# KiCad board hscalla.kicad_pcb (continued)
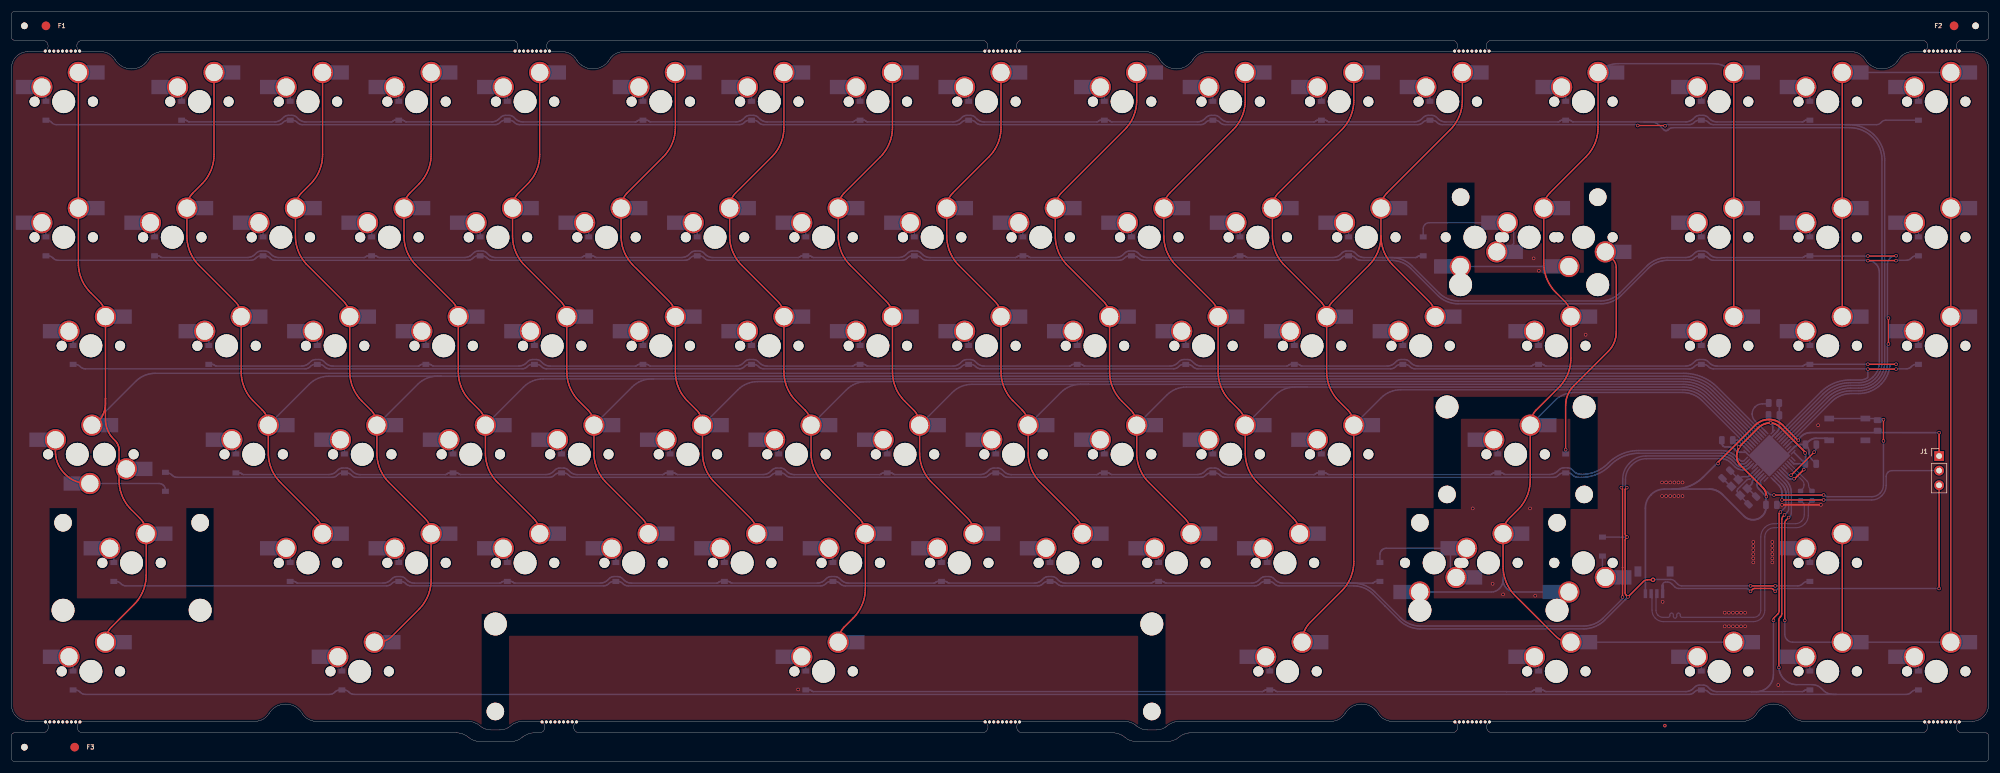
[diagram p0: board, top side]
## Nets (continued)
Net-(D67-Pad2): D67.2 MX63.1
Net-(D68-Pad2): D68.2 MX64.1
Net-(D69-Pad2): D69.2 MX65.1
Net-(D70-Pad2): D70.2 MX66.1
Net-(D71-Pad2): D71.2 MX67.1
Net-(D72-Pad2): D72.2 MX68.1
Net-(D73-Pad2): D73.2 MX69.1
Net-(D74-Pad2): D74.2 MX70.1
Net-(D75-Pad2): D75.2 MX71.1
Net-(D76-Pad2): D76.2 MX72.1
Net-(D77-Pad2): D77.2 MX73.1
Net-(D78-Pad2): D78.2 MX_rshift1.1 MX_splitrshift1.1
Net-(D79-Pad2): D79.2 MX_splitrshift2.1
Net-(D80-Pad2): D80.2 MX74.1
Net-(D81-Pad2): D81.2 MX75.1
Net-(D83-Pad2): D83.2 MX77.1
Net-(D84-Pad2): D84.2 MX78.1
Net-(D85-Pad2): D85.2 MX79.1
Net-(D87-Pad2): D87.2 MX81.1
Net-(D88-Pad2): D88.2 MX82.1
Net-(D89-Pad2): D89.2 MX83.1
Net-(D90-Pad2): D90.2 MX84.1
Net-(R1-Pad2): R1.2 SW1.2 U1.13
Net-(R3-Pad1): R3.1 U1.4
Net-(R4-Pad1): R4.1 U1.3
Net-(R5-Pad2): R5.2 U1.33

Pads without a net: U1 42

## Via types
v1: diameter 0.6, hole 0.3, Top to Bottom, 1 via
v2: diameter 0.6, hole 0.4, Top to Bottom, 96 vias
v3: diameter 0.8, hole 0.4, Top to Bottom, 1 via

## Routing (per net, layer and track width the routed paths; a pad name or vN(x,y) marks a point on that pad's centre or on a via; arc(x,y) is an arc through that point)
+5V: length 151.2
  Top w0.3: 306.26,58.99 306.54,58.94 306.82,58.88 307.08,58.78 307.34,58.66 307.58,58.51 307.81,58.34 308.02,58.15 312.38,53.8 ; v2(306.3,58.98) 306.3,58.98 305.99,58.97 305.69,58.92 305.39,58.85 305.1,58.74 304.83,58.61 304.57,58.46 304.32,58.27 304.09,58.07 301.22,55.2 301.03,54.99 300.86,54.76 300.72,54.52 300.6,54.26 300.5,53.99 300.43,53.72 300.39,53.43 300.38,53.15 300.39,52.94 300.42,52.73 300.47,52.52 300.54,52.32 300.63,52.13 300.74,51.94 300.87,51.77 301.01,51.61 304.91,47.71 305.06,47.55 305.18,47.38 305.29,47.2 305.38,47.01 305.46,46.81 305.51,46.6 305.54,46.39 305.55,46.17 v2(305.55,46.14) ; J1.1 v2(335.62,57.28) ; v2(310.37,49.25) 310.48,49.25 v2(312.07,50.84) ; 311.03,55.96 308.41,58.58 308.16,58.8 307.89,59 307.61,59.17 307.31,59.31 307,59.42 306.67,59.5 306.35,59.55 306.02,59.57 305.98,59.57 305.65,59.55 305.32,59.5 305,59.42 304.69,59.31 304.39,59.17 304.1,59 303.84,58.8 303.59,58.58 297.14,52.12 v2(297.14,51.89)
  Bottom w0.3: v2(335.62,57.28) 313.26,57.28 313.02,57.27 312.79,57.23 312.56,57.18 312.33,57.1 312.12,56.99 311.91,56.87 311.72,56.73 311.55,56.57 311.03,56.05 ; U1.7 309.15,49.5 309.27,49.39 309.4,49.3 309.54,49.23 309.69,49.18 309.85,49.15 310,49.14 310.26,49.14 v2(310.37,49.25) ; 310.32,53.86 312.34,51.85 310.33,51.85 U1.2 ; 289.16,47.45 289.46,47.45 289.82,47.46 290.17,47.48 290.52,47.53 290.87,47.59 291.22,47.67 291.56,47.76 291.9,47.87 292.23,48 292.56,48.15 292.88,48.31 293.18,48.48 293.48,48.67 293.78,48.88 294.06,49.09 294.32,49.33 294.58,49.57 296.9,51.89 v2(297.14,51.89) ; 289.16,47.45 287.81,47.45 arc(286.55,47.2) 285.48,46.48 285.45,46.46 arc(284.73,45.39) 284.48,44.12 J2.1 ; 289.16,47.45 295.6,47.45 295.76,47.45 295.92,47.43 296.08,47.41 296.23,47.39 296.39,47.35 296.55,47.31 296.7,47.26 296.85,47.2 296.99,47.14 297.14,47.07 297.27,46.99 297.41,46.9 297.54,46.81 297.67,46.71 297.79,46.61 297.9,46.5 301.66,42.74 301.81,42.6 301.98,42.47 302.17,42.36 302.36,42.27 302.56,42.2 302.77,42.15 302.98,42.12 303.19,42.11 303.28,42.11 303.49,42.12 303.71,42.15 303.91,42.2 304.11,42.27 304.31,42.36 304.49,42.47 304.66,42.6 304.82,42.74 304.85,42.78 304.99,42.93 305.12,43.11 305.23,43.29 305.32,43.48 305.39,43.68 305.45,43.89 305.48,44.1 305.49,44.31 ; 300.48,55.15 299.68,55.96 300.57,55.96 U1.24 ; 300.48,55.15 300.72,54.92 v2(300.72,54.78) ; 300.48,55.15 300.6,55.04 ; U1.14 304.24,49.31 arc(303.97,48.91) 303.88,48.43 303.88,48.34 arc(303.97,47.86) 304.24,47.45 v2(305.55,46.14) 305.49,46.08 305.49,44.7 ; 305.93,59.85 305.96,59.62 306.02,59.39 306.14,59.18 306.29,59 v2(306.3,58.98) 306.38,58.9 arc(306.6,58.58) 306.67,58.2 U1.34 ; v2(312.07,50.84) 312.07,51.59 ; 312.38,53.8 312.38,51.94
  vias: v2(311.12,55.96) v2(312.29,53.74)
GND: length 44.2
  Top w0.3: v2(308.28,44.7) v2(315.04,44.7)
  Bottom w0.2: 302.54,53.27 U1.23 ; 306.08,51.86 U1.15
  Bottom w0.25: 314.21,51.85 313.52,52.54 313.41,52.67 313.3,52.81 313.21,52.96 313.14,53.12 313.08,53.28 313.03,53.45 313.01,53.63 313,53.8 313,53.81 312.99,53.99 312.97,54.16 312.92,54.33 312.86,54.5 312.79,54.66 312.69,54.81
  Bottom w0.3: 297.81,55.96 297.81,55.36 arc(297.84,55.17) 297.95,55.01 298.02,54.95 arc(298.18,54.84) 298.37,54.8 298.99,54.8 299.27,54.77 299.54,54.69 299.79,54.56 300.01,54.38 300.1,54.29 300.32,54.11 300.57,53.98 300.84,53.89 301.12,53.86 U1.23 ; 308.91,53.27 U1.43 310.31,54.67 310.44,54.79 310.58,54.9 310.73,54.99 310.89,55.06 311.06,55.12 311.23,55.17 311.41,55.19 311.59,55.2 312.36,55.2 312.93,55.77 313.06,55.89 313.2,55.99 313.35,56.09 313.51,56.16 313.68,56.22 313.85,56.27 314.03,56.29 314.21,56.3 316.12,56.3 ; 307.81,62.29 307.81,58.33 307.78,58.09 307.72,57.87 307.6,57.66 307.45,57.47 U1.35 306.08,56.1 ; U1.15 303.24,49.02 arc(303.13,48.85) 303.09,48.66 303.09,48.63 arc(303.05,48.44) 302.95,48.27 302.22,47.55 ; 302.34,47.55 303.75,46.15 ; 299.34,47.9 297.94,49.3 ; 305.37,53.27 U1.18
  vias: v2(136.97,12.55) v2(254.42,44.08) v2(257.88,30.95) v2(259.7,29.1) v2(264.4,44.08) v2(265.02,87.62) v2(265.3,28.88) v2(265.93,85.47) v2(274.08,74.32) v2(287.38,48.6) v2(287.38,46.23) v2(287.48,27.81) v2(288.09,48.6) v2(288.09,46.23) v2(288.8,48.6) v2(288.8,46.23) v2(289.53,48.6) v2(289.53,46.23) v2(290.24,48.6) v2(290.24,46.23) v2(290.95,48.6) v2(290.95,46.23) v2(298.29,25.92) v2(298.29,23.55) v2(299,25.92) v2(299,23.55) v2(299.72,25.92) v2(299.72,23.55) v2(300.43,25.92) v2(300.43,23.55) v2(301.14,25.92) v2(301.14,23.55) v2(301.85,25.92) v2(301.85,23.55) v2(303.27,38.23) v2(303.27,37.52) v2(303.27,36.81) v2(303.27,36.1) v2(303.27,35.39) v2(303.27,34.68) v2(306.58,38.23) v2(306.58,37.52) v2(306.58,36.81) v2(306.58,36.1) v2(306.58,35.39) v2(306.58,34.68) v2(307.61,13.32) v2(314.55,58.57)
GND1: length 67.6
  Top w0.25: v2(302.78,29.63) 303.14,29.99 arc(303.31,30.1) 303.5,30.14 306.37,30.14 arc(306.56,30.1) 306.72,29.99 v2(307.08,29.63) ; v2(335.62,30.13) J1.3
  Bottom w0.25: v2(307.08,29.63) 307.44,29.99 arc(307.6,30.1) 307.79,30.13 v2(335.62,30.13) ; JP1.2 287.48,30.76 arc(287.63,31.11) 287.98,31.26 288.35,31.26 arc(288.73,31.18) 289.05,30.96 289.59,30.43 arc(289.91,30.21) 290.3,30.13 302.08,30.13 arc(302.27,30.1) 302.43,29.99 v2(302.78,29.63)
(no net):
  vias: v1(287.88,6.25)
col0: length 404
  Top w0.25: 16.09,78.96 15.94,79.28 15.75,79.58 15.54,79.87 15.3,80.13 13.76,81.67 13.52,81.93 13.28,82.2 13.07,82.48 12.86,82.77 12.67,83.07 12.5,83.38 12.34,83.7 12.19,84.02 12.06,84.36 11.95,84.69 11.86,85.04 11.78,85.38 11.72,85.73 11.67,86.09 11.65,86.44 11.64,86.8 MX18.2 MX1.2 ; 18.73,52.64 18.73,49 18.74,48.64 18.76,48.29 18.81,47.93 18.87,47.58 18.94,47.24 19.04,46.89 19.15,46.56 19.28,46.22 19.42,45.9 19.58,45.58 19.76,45.27 19.95,44.97 20.15,44.68 20.37,44.4 20.6,44.13 20.85,43.87 22.39,42.33 22.63,42.07 22.84,41.78 23.02,41.48 23.18,41.16 ; 18.73,52.64 18.73,52.29 20,51.02 ; 18.73,52.64 18.73,54.21 18.72,54.33 18.72,54.45 18.7,54.57 18.68,54.68 18.66,54.8 18.62,54.91 18.59,55.03 18.54,55.14 18.5,55.24 18.44,55.35 18.38,55.45 18.32,55.55 18.25,55.65 18.18,55.74 18.1,55.83 18.02,55.92 17.78,56.16 17.62,56.33 17.46,56.51 17.32,56.7 17.18,56.89 17.05,57.09 16.94,57.3 16.83,57.51 16.73,57.73 16.65,57.95 16.57,58.17 16.51,58.4 16.46,58.63 16.42,58.87 16.39,59.1 16.37,59.34 16.37,59.58 16.37,63.25 ; 16.37,63.25 16.37,62.41 16.36,62.17 16.34,61.94 16.31,61.7 16.27,61.47 16.22,61.24 16.16,61.01 16.08,60.78 16,60.56 15.9,60.35 15.79,60.13 15.68,59.93 15.55,59.73 15.41,59.53 ; 16.37,63.25 16.37,75.89 ; MX63.2 23.45,32.46 23.44,32.1 23.42,31.75 23.37,31.4 23.31,31.05 23.24,30.7 23.14,30.36 23.03,30.02 22.9,29.69 22.76,29.36 22.6,29.04 22.42,28.74 22.23,28.43 22.03,28.14 21.81,27.86 21.58,27.59 21.33,27.34 17.43,23.43 17.19,23.17 16.98,22.88 16.79,22.58 16.64,22.26
  Bottom w0.25: U1.32 296.98,65.21 296.68,65.48 296.38,65.75 296.06,65.99 295.73,66.23 295.39,66.44 295.04,66.64 294.68,66.82 294.31,66.99 293.94,67.13 293.55,67.26 293.17,67.36 292.77,67.45 292.38,67.52 291.98,67.57 291.57,67.6 291.17,67.61 25.03,67.61 24.8,67.6 24.56,67.59 24.32,67.56 24.09,67.52 23.86,67.47 23.63,67.4 23.41,67.33 23.18,67.24 22.97,67.15 22.76,67.04 22.55,66.92 22.35,66.8 22.16,66.66 21.97,66.51 21.79,66.36 21.62,66.2 MX50.2
col1: length 468.7
  Top w0.25: 49.79,98.02 49.87,98.18 49.96,98.33 50.05,98.48 50.15,98.63 50.26,98.77 50.38,98.9 50.5,99.03 52.04,100.57 52.29,100.83 52.52,101.1 52.74,101.38 52.94,101.67 53.13,101.97 53.31,102.28 53.47,102.6 53.61,102.92 53.74,103.26 53.85,103.59 53.95,103.94 54.03,104.28 54.09,104.63 54.13,104.99 54.16,105.34 54.16,105.7 54.16,118.41 ; MX20.2 49.44,91.52 49.45,91.17 49.47,90.81 49.52,90.46 49.58,90.11 49.66,89.76 49.75,89.42 49.86,89.08 49.99,88.75 50.14,88.42 50.3,88.11 50.47,87.8 50.66,87.5 50.87,87.21 51.08,86.93 51.32,86.66 51.56,86.4 57.83,80.13 58.07,79.87 58.28,79.58 58.46,79.28 58.61,78.96 ; MX36.2 58.89,67.9 58.9,67.54 58.92,67.19 58.97,66.83 59.03,66.48 59.11,66.14 59.2,65.79 59.31,65.46 59.44,65.12 59.59,64.8 59.75,64.48 59.92,64.17 60.11,63.87 60.32,63.58 60.53,63.3 60.77,63.03 61.01,62.77 62.55,61.23 62.79,60.97 63,60.68 63.19,60.38 63.34,60.06 ; MX53.2 63.61,53.72 63.62,53.37 63.65,53.01 63.69,52.66 63.75,52.31 63.83,51.96 63.93,51.62 64.04,51.28 64.17,50.95 64.31,50.62 64.47,50.31 64.65,50 64.84,49.7 65.04,49.41 65.26,49.13 65.49,48.86 65.74,48.6 72,42.33 72.24,42.07 72.45,41.78 72.64,41.48 72.79,41.16 ; 53.89,41.16 53.74,41.48 53.55,41.78 53.34,42.07 53.1,42.33 46.84,48.6 46.59,48.86 46.36,49.13 46.14,49.41 45.94,49.7 45.75,50 45.57,50.31 45.41,50.62 45.27,50.95 45.14,51.28 45.03,51.62 44.93,51.96 44.85,52.31 44.79,52.66 44.75,53.01 44.72,53.37 44.71,53.72 MX52.2 ; 39.71,78.96 39.56,79.28 39.38,79.58 39.17,79.87 38.93,80.13 32.66,86.4 32.42,86.66 32.18,86.93 31.97,87.21 31.76,87.5 31.57,87.8 31.4,88.11 31.24,88.42 31.09,88.75 30.96,89.08 30.85,89.42 30.76,89.76 30.68,90.11 30.62,90.46 30.57,90.81 30.55,91.17 30.54,91.52 MX19.2 ; 64.76,20.94 65.09,21.06 65.41,21.21 65.72,21.39 66,21.6 66.27,21.84 70.94,26.52 71.19,26.78 71.42,27.04 71.64,27.32 71.84,27.62 72.03,27.92 72.21,28.22 72.37,28.54 72.51,28.87 72.64,29.2 72.75,29.54 72.85,29.88 72.93,30.23 72.99,30.58 73.03,30.93 73.06,31.28 73.06,31.64 MX65.2 ; 35.27,118.41 35.27,105.7 35.26,105.34 35.23,104.99 35.19,104.63 35.13,104.28 35.05,103.94 34.95,103.59 34.84,103.26 34.71,102.92 34.57,102.6 34.41,102.28 34.23,101.97 34.04,101.67 33.84,101.38 33.62,101.1 33.39,100.83 33.14,100.57 31.6,99.03 31.48,98.9 31.36,98.77 31.25,98.63 31.15,98.48 31.06,98.33 30.97,98.18 30.89,98.02 ; MX35.2 39.99,67.9 40,67.54 40.02,67.19 40.07,66.83 40.13,66.48 40.21,66.14 40.3,65.79 40.41,65.46 40.54,65.12 40.69,64.8 40.85,64.48 41.02,64.17 41.21,63.87 41.42,63.58 41.63,63.3 41.87,63.03 42.11,62.77 43.65,61.23 43.89,60.97 44.1,60.68 44.29,60.38 44.44,60.06
  Bottom w0.25: 74.78,67.11 291.17,67.11 291.55,67.1 291.92,67.07 292.3,67.02 292.67,66.96 293.04,66.88 293.41,66.78 293.77,66.66 294.12,66.52 294.47,66.37 294.81,66.2 295.14,66.01 295.46,65.81 295.77,65.59 296.07,65.35 296.35,65.11 296.63,64.85 U1.31 ; 74.78,67.11 74.14,67.11 73.67,67.08 73.2,67.02 72.74,66.9 72.3,66.74 71.87,66.54 71.46,66.29 71.08,66.01 70.73,65.69 MX53.2 ; 74.78,67.11 55.24,67.11 54.77,67.08 54.3,67.02 53.84,66.9 53.4,66.74 52.97,66.54 52.56,66.29 52.18,66.01 51.83,65.69 MX52.2
col2: length 407.3
  Top w0.25: MX55.2 101.41,53.72 101.42,53.37 101.45,53.01 101.49,52.66 101.55,52.31 101.63,51.96 101.73,51.62 101.84,51.28 101.97,50.95 102.11,50.62 102.27,50.31 102.45,50 102.64,49.7 102.84,49.41 103.06,49.13 103.29,48.86 103.54,48.6 109.8,42.33 110.04,42.07 110.25,41.78 110.44,41.48 110.59,41.16 ; MX38.2 96.69,67.9 96.7,67.54 96.72,67.19 96.77,66.83 96.83,66.48 96.91,66.14 97,65.79 97.11,65.46 97.24,65.12 97.39,64.8 97.55,64.48 97.72,64.17 97.91,63.87 98.12,63.58 98.33,63.3 98.57,63.03 98.81,62.77 100.35,61.23 100.59,60.97 100.8,60.68 100.99,60.38 101.14,60.06 ; MX22.2 87.24,91.52 87.25,91.17 87.27,90.81 87.32,90.46 87.38,90.11 87.46,89.76 87.55,89.42 87.66,89.08 87.79,88.75 87.94,88.42 88.1,88.11 88.27,87.8 88.46,87.5 88.67,87.21 88.88,86.93 89.12,86.66 89.36,86.4 95.63,80.13 95.87,79.87 96.08,79.58 96.26,79.28 96.41,78.96 ; 77.51,78.96 77.36,79.28 77.18,79.58 76.97,79.87 76.73,80.13 70.46,86.4 70.22,86.66 69.98,86.93 69.77,87.21 69.56,87.5 69.37,87.8 69.2,88.11 69.04,88.42 68.89,88.75 68.76,89.08 68.65,89.42 68.56,89.76 68.48,90.11 68.42,90.46 68.37,90.81 68.35,91.17 68.34,91.52 MX21.2 ; 68.69,98.02 68.77,98.18 68.86,98.33 68.95,98.48 69.05,98.63 69.16,98.77 69.28,98.9 69.4,99.03 70.94,100.57 71.19,100.83 71.42,101.1 71.64,101.38 71.84,101.67 72.03,101.97 72.21,102.28 72.37,102.6 72.51,102.92 72.64,103.26 72.75,103.59 72.85,103.94 72.93,104.28 72.99,104.63 73.03,104.99 73.06,105.34 73.06,105.7 73.06,118.41 ; 87.59,98.02 87.67,98.18 87.76,98.33 87.85,98.48 87.95,98.63 88.06,98.77 88.18,98.9 88.3,99.03 89.84,100.57 90.09,100.83 90.32,101.1 90.54,101.38 90.74,101.67 90.93,101.97 91.11,102.28 91.27,102.6 91.41,102.92 91.54,103.26 91.65,103.59 91.75,103.94 91.83,104.28 91.89,104.63 91.93,104.99 91.96,105.34 91.97,105.7 91.97,118.41 ; MX37.2 77.79,67.9 77.8,67.54 77.82,67.19 77.87,66.83 77.93,66.48 78.01,66.14 78.1,65.79 78.21,65.46 78.34,65.12 78.49,64.8 78.65,64.48 78.82,64.17 79.01,63.87 79.22,63.58 79.43,63.3 79.67,63.03 79.91,62.77 81.45,61.23 81.69,60.97 81.9,60.68 82.09,60.38 82.24,60.06 ; 91.69,41.16 91.54,41.48 91.35,41.78 91.14,42.07 90.9,42.33 84.64,48.6 84.39,48.86 84.16,49.13 83.94,49.41 83.74,49.7 83.55,50 83.37,50.31 83.21,50.62 83.07,50.95 82.94,51.28 82.83,51.62 82.73,51.96 82.65,52.31 82.59,52.66 82.55,53.01 82.52,53.37 82.52,53.72 MX54.2
  Bottom w0.25: 111.82,66.64 291.13,66.64 291.49,66.63 291.84,66.6 292.19,66.56 292.54,66.5 292.89,66.42 293.23,66.32 293.57,66.21 293.9,66.08 294.23,65.94 294.55,65.78 294.86,65.61 295.16,65.41 295.45,65.21 295.73,64.99 296,64.76 296.25,64.51 U1.30 ; 111.82,66.64 111.47,66.64 111,66.61 110.53,66.54 110.07,66.43 109.62,66.27 109.19,66.07 108.79,65.82 108.41,65.54 108.06,65.22 MX55.2 ; 111.82,66.64 92.57,66.64 92.1,66.61 91.63,66.54 91.17,66.43 90.72,66.27 90.29,66.07 89.89,65.82 89.51,65.54 89.16,65.22 MX54.2
col3: length 394.8
  Top w0.25: MX7.2 134.49,110.42 134.48,110.07 134.46,109.71 134.41,109.36 134.35,109.01 134.27,108.66 134.18,108.32 134.07,107.98 133.94,107.65 133.79,107.32 133.63,107.01 133.46,106.7 133.27,106.4 133.06,106.11 132.85,105.83 132.61,105.56 132.37,105.3 126.1,99.03 125.86,98.77 125.65,98.48 125.47,98.18 125.32,97.86 ; MX23.2 106.14,91.52 106.15,91.17 106.17,90.81 106.22,90.46 106.28,90.11 106.36,89.76 106.45,89.42 106.56,89.08 106.69,88.75 106.84,88.42 107,88.11 107.17,87.8 107.36,87.5 107.57,87.21 107.78,86.93 108.02,86.66 108.26,86.4 114.53,80.13 114.77,79.87 114.98,79.58 115.16,79.28 115.31,78.96 ; 148.39,41.16 148.24,41.48 148.05,41.78 147.84,42.07 147.6,42.33 141.34,48.6 141.09,48.86 140.86,49.13 140.64,49.41 140.44,49.7 140.25,50 140.07,50.31 139.91,50.62 139.77,50.95 139.64,51.28 139.53,51.62 139.43,51.96 139.35,52.31 139.29,52.66 139.25,53.01 139.22,53.37 139.22,53.72 MX57.2 ; 134.21,78.96 134.06,79.28 133.88,79.58 133.67,79.87 133.43,80.13 127.16,86.4 126.92,86.66 126.68,86.93 126.47,87.21 126.26,87.5 126.07,87.8 125.9,88.11 125.74,88.42 125.59,88.75 125.46,89.08 125.35,89.42 125.26,89.76 125.18,90.11 125.12,90.46 125.07,90.81 125.05,91.17 125.04,91.52 MX24.2 ; 120.04,60.06 119.89,60.38 119.7,60.68 119.49,60.97 119.25,61.23 117.71,62.77 117.47,63.03 117.23,63.3 117.02,63.58 116.81,63.87 116.62,64.17 116.45,64.48 116.29,64.8 116.14,65.12 116.01,65.46 115.9,65.79 115.81,66.14 115.73,66.48 115.67,66.83 115.62,67.19 115.6,67.54 115.59,67.9 MX39.2 ; MX40.2 134.49,67.9 134.5,67.54 134.52,67.19 134.57,66.83 134.63,66.48 134.71,66.14 134.8,65.79 134.91,65.46 135.04,65.12 135.19,64.8 135.35,64.48 135.52,64.17 135.71,63.87 135.92,63.58 136.13,63.3 136.37,63.03 136.61,62.77 138.15,61.23 138.39,60.97 138.6,60.68 138.79,60.38 138.94,60.06 ; MX56.2 120.31,53.72 120.32,53.37 120.35,53.01 120.39,52.66 120.45,52.31 120.53,51.96 120.63,51.62 120.74,51.28 120.87,50.95 121.01,50.62 121.17,50.31 121.35,50 121.54,49.7 121.74,49.41 121.96,49.13 122.19,48.86 122.44,48.6 128.7,42.33 128.94,42.07 129.15,41.78 129.34,41.48 129.49,41.16 ; 144.22,22.26 144.37,22.58 144.55,22.88 144.76,23.17 145,23.43 146.54,24.97 146.79,25.23 147.02,25.5 147.24,25.78 147.44,26.07 147.63,26.37 147.81,26.68 147.97,27 148.11,27.32 148.24,27.66 148.35,27.99 148.45,28.34 148.53,28.68 148.59,29.03 148.63,29.39 148.66,29.74 148.66,30.1 MX69.2 ; MX6.2 115.59,110.42 115.58,110.07 115.56,109.71 115.51,109.36 115.45,109.01 115.37,108.66 115.28,108.32 115.17,107.98 115.04,107.65 114.89,107.32 114.73,107.01 114.56,106.7 114.37,106.4 114.16,106.11 113.95,105.83 113.71,105.56 113.47,105.3 107.2,99.03 106.96,98.77 106.75,98.48 106.57,98.18 106.42,97.86
  Bottom w0.25: 149.43,66.16 129.9,66.16 129.42,66.14 128.96,66.07 128.5,65.96 128.05,65.8 127.62,65.59 127.22,65.35 126.83,65.07 126.48,64.75 MX56.2 ; 149.43,66.16 148.8,66.16 148.32,66.14 147.86,66.07 147.4,65.96 146.95,65.8 146.52,65.59 146.12,65.35 145.73,65.07 145.38,64.75 MX57.2 ; 149.43,66.16 291.1,66.16 291.43,66.15 291.76,66.13 292.09,66.09 292.42,66.03 292.74,65.96 293.06,65.87 293.37,65.77 293.68,65.65 293.99,65.51 294.28,65.36 294.57,65.2 294.85,65.02 295.12,64.83 295.39,64.63 295.64,64.41 295.88,64.18 U1.29
col4: length 337.7
  Top w0.25: MX25.2 143.94,91.52 143.95,91.17 143.97,90.81 144.02,90.46 144.08,90.11 144.16,89.76 144.25,89.42 144.36,89.08 144.49,88.75 144.64,88.42 144.8,88.11 144.97,87.8 145.16,87.5 145.37,87.21 145.58,86.93 145.82,86.66 146.06,86.4 152.33,80.13 152.57,79.87 152.78,79.58 152.96,79.28 153.11,78.96 ; MX26.2 162.84,91.52 162.85,91.17 162.87,90.81 162.92,90.46 162.98,90.11 163.06,89.76 163.15,89.42 163.26,89.08 163.39,88.75 163.54,88.42 163.7,88.11 163.87,87.8 164.06,87.5 164.27,87.21 164.48,86.93 164.72,86.66 164.96,86.4 171.23,80.13 171.47,79.87 171.68,79.58 171.86,79.28 172.01,78.96 ; MX42.2 172.29,67.9 172.3,67.54 172.32,67.19 172.37,66.83 172.43,66.48 172.51,66.14 172.6,65.79 172.71,65.46 172.84,65.12 172.99,64.8 173.15,64.48 173.32,64.17 173.51,63.87 173.72,63.58 173.93,63.3 174.17,63.03 174.41,62.77 175.95,61.23 176.19,60.97 176.4,60.68 176.59,60.38 176.74,60.06 ; 186.19,41.16 186.04,41.48 185.85,41.78 185.64,42.07 185.4,42.33 179.14,48.6 178.89,48.86 178.66,49.13 178.44,49.41 178.24,49.7 178.05,50 177.87,50.31 177.71,50.62 177.57,50.95 177.44,51.28 177.33,51.62 177.23,51.96 177.15,52.31 177.09,52.66 177.05,53.01 177.02,53.37 177.01,53.72 MX59.2 ; 167.29,41.16 167.14,41.48 166.95,41.78 166.74,42.07 166.5,42.33 160.24,48.6 159.99,48.86 159.76,49.13 159.54,49.41 159.34,49.7 159.15,50 158.97,50.31 158.81,50.62 158.67,50.95 158.54,51.28 158.43,51.62 158.33,51.96 158.25,52.31 158.19,52.66 158.15,53.01 158.12,53.37 158.12,53.72 MX58.2 ; 144.22,97.86 144.37,98.18 144.55,98.48 144.76,98.77 145,99.03 151.27,105.3 151.51,105.56 151.75,105.83 151.96,106.11 152.17,106.4 152.36,106.7 152.53,107.01 152.69,107.32 152.84,107.65 152.97,107.98 153.08,108.32 153.17,108.66 153.25,109.01 153.31,109.36 153.36,109.71 153.38,110.07 153.39,110.42 MX8.2 ; MX41.2 153.39,67.9 153.4,67.54 153.42,67.19 153.47,66.83 153.53,66.48 153.61,66.14 153.7,65.79 153.81,65.46 153.94,65.12 154.09,64.8 154.25,64.48 154.42,64.17 154.61,63.87 154.82,63.58 155.03,63.3 155.27,63.03 155.51,62.77 157.05,61.23 157.29,60.97 157.5,60.68 157.69,60.38 157.84,60.06 ; 163.12,97.86 163.27,98.18 163.45,98.48 163.66,98.77 163.9,99.03 170.17,105.3 170.41,105.56 170.65,105.83 170.86,106.11 171.07,106.4 171.26,106.7 171.43,107.01 171.59,107.32 171.74,107.65 171.87,107.98 171.98,108.32 172.07,108.66 172.15,109.01 172.21,109.36 172.26,109.71 172.28,110.07 172.29,110.42 MX9.2
  Bottom w0.25: 187.52,65.69 167.23,65.69 166.75,65.67 166.28,65.6 165.82,65.48 165.38,65.32 164.95,65.12 164.54,64.88 164.16,64.59 163.81,64.28 MX58.2 ; 187.52,65.69 291.06,65.69 291.37,65.68 291.68,65.66 291.98,65.62 292.29,65.57 292.59,65.5 292.88,65.42 293.18,65.32 293.46,65.21 293.75,65.09 294.02,64.95 294.29,64.8 294.55,64.63 294.8,64.46 295.04,64.27 295.28,64.06 295.5,63.85 U1.28 ; 187.52,65.69 186.13,65.69 185.65,65.67 185.18,65.6 184.72,65.48 184.28,65.32 183.85,65.12 183.44,64.88 183.06,64.59 182.71,64.28 MX59.2
col5: length 303.3
  Top w0.25: 190.91,78.96 190.76,79.28 190.58,79.58 190.37,79.87 190.13,80.13 183.86,86.4 183.62,86.66 183.38,86.93 183.17,87.21 182.96,87.5 182.77,87.8 182.6,88.11 182.44,88.42 182.29,88.75 182.16,89.08 182.05,89.42 181.96,89.76 181.88,90.11 181.82,90.46 181.77,90.81 181.75,91.17 181.74,91.52 MX27.2 ; 195.64,60.06 195.49,60.38 195.3,60.68 195.09,60.97 194.85,61.23 193.31,62.77 193.07,63.03 192.83,63.3 192.62,63.58 192.41,63.87 192.22,64.17 192.05,64.48 191.89,64.8 191.74,65.12 191.61,65.46 191.5,65.79 191.41,66.14 191.33,66.48 191.27,66.83 191.22,67.19 191.2,67.54 191.19,67.9 MX43.2 ; MX61.2 214.81,53.72 214.82,53.37 214.85,53.01 214.89,52.66 214.95,52.31 215.03,51.96 215.13,51.62 215.24,51.28 215.37,50.95 215.51,50.62 215.67,50.31 215.85,50 216.04,49.7 216.24,49.41 216.46,49.13 216.69,48.86 216.94,48.6 223.2,42.33 223.44,42.07 223.65,41.78 223.84,41.48 223.99,41.16 ; 205.09,41.16 204.94,41.48 204.75,41.78 204.54,42.07 204.3,42.33 198.04,48.6 197.79,48.86 197.56,49.13 197.34,49.41 197.14,49.7 196.95,50 196.77,50.31 196.61,50.62 196.47,50.95 196.34,51.28 196.23,51.62 196.13,51.96 196.05,52.31 195.99,52.66 195.95,53.01 195.92,53.37 195.91,53.72 MX60.2 ; 214.54,60.06 214.39,60.38 214.2,60.68 213.99,60.97 213.75,61.23 212.21,62.77 211.97,63.03 211.73,63.3 211.52,63.58 211.31,63.87 211.12,64.17 210.95,64.48 210.79,64.8 210.64,65.12 210.51,65.46 210.4,65.79 210.31,66.14 210.23,66.48 210.17,66.83 210.12,67.19 210.1,67.54 210.09,67.9 MX44.2 ; 182.02,97.86 182.17,98.18 182.35,98.48 182.56,98.77 182.8,99.03 193.79,110.02 194.04,110.28 194.27,110.55 194.49,110.83 194.69,111.12 194.88,111.42 195.06,111.73 195.22,112.05 195.36,112.37 195.49,112.71 195.6,113.04 195.7,113.39 195.78,113.73 195.84,114.08 195.88,114.44 195.91,114.79 195.91,115.15 MX10.2 ; 209.81,78.96 209.66,79.28 209.48,79.58 209.27,79.87 209.03,80.13 202.76,86.4 202.52,86.66 202.28,86.93 202.07,87.21 201.86,87.5 201.67,87.8 201.5,88.11 201.34,88.42 201.19,88.75 201.06,89.08 200.95,89.42 200.86,89.76 200.78,90.11 200.72,90.46 200.67,90.81 200.65,91.17 200.64,91.52 MX28.2 ; MX11.2 214.81,115.15 214.81,114.79 214.78,114.44 214.74,114.08 214.68,113.73 214.6,113.39 214.5,113.04 214.39,112.71 214.26,112.37 214.12,112.05 213.96,111.73 213.78,111.42 213.59,111.12 213.39,110.83 213.17,110.55 212.94,110.28 212.69,110.02 201.7,99.03 201.46,98.77 201.25,98.48 201.07,98.18 200.92,97.86
  Bottom w0.25: 225.6,65.22 204.55,65.22 204.08,65.19 203.61,65.13 203.15,65.01 202.71,64.85 202.28,64.65 201.87,64.4 201.49,64.12 201.14,63.8 MX60.2 ; 225.6,65.22 291.03,65.22 291.31,65.21 291.6,65.19 291.88,65.16 292.16,65.11 292.44,65.04 292.71,64.97 292.98,64.88 293.25,64.78 293.51,64.66 293.76,64.53 294.01,64.39 294.25,64.24 294.48,64.08 294.7,63.9 294.92,63.72 295.12,63.52 U1.27 ; 225.6,65.22 223.45,65.22 222.98,65.19 222.51,65.13 222.05,65.01 221.61,64.85 221.18,64.65 220.77,64.4 220.39,64.12 220.04,63.8 MX61.2
col6: length 246.3
  Top w0.25: 233.44,60.06 233.29,60.38 233.1,60.68 232.89,60.97 232.65,61.23 231.11,62.77 230.87,63.03 230.63,63.3 230.42,63.58 230.21,63.87 230.02,64.17 229.85,64.48 229.69,64.8 229.54,65.12 229.41,65.46 229.3,65.79 229.21,66.14 229.13,66.48 229.07,66.83 229.02,67.19 229,67.54 228.99,67.9 MX45.2 ; 238.44,91.52 238.45,91.17 238.47,90.81 238.52,90.46 238.58,90.11 238.66,89.76 238.75,89.42 238.86,89.08 238.99,88.75 239.14,88.42 239.3,88.11 239.47,87.8 239.66,87.5 239.87,87.21 240.08,86.93 240.32,86.66 240.56,86.4 246.83,80.13 247.07,79.87 247.28,79.58 247.46,79.28 247.61,78.96 ; 238.44,91.52 MX30.2 ; 238.44,91.52 238.43,91.17 238.41,90.81 238.36,90.46 238.3,90.11 238.22,89.76 238.13,89.42 238.02,89.08 237.89,88.75 237.74,88.42 237.58,88.11 237.41,87.8 237.22,87.5 237.01,87.21 236.8,86.93 236.56,86.66 236.32,86.4 230.05,80.13 229.81,79.87 229.6,79.58 229.42,79.28 229.27,78.96 ; 228.71,78.96 228.56,79.28 228.38,79.58 228.17,79.87 227.93,80.13 221.66,86.4 221.42,86.66 221.18,86.93 220.97,87.21 220.76,87.5 220.57,87.8 220.4,88.11 220.24,88.42 220.09,88.75 219.96,89.08 219.85,89.42 219.76,89.76 219.68,90.11 219.62,90.46 219.57,90.81 219.55,91.17 219.54,91.52 MX29.2 ; 225,22.45 225.08,22.67 225.18,22.89 225.29,23.1 225.4,23.3 225.53,23.5 225.67,23.7 225.81,23.88 225.97,24.06 226.13,24.24 231.59,29.7 231.84,29.96 232.07,30.23 232.29,30.51 232.49,30.8 232.68,31.1 232.86,31.41 233.02,31.72 233.16,32.05 233.29,32.38 233.4,32.72 233.5,33.06 233.58,33.41 233.64,33.76 233.68,34.11 233.71,34.47 233.72,34.82 MX62.2 ; MX13.2 252.61,115.15 252.61,114.79 252.58,114.44 252.54,114.08 252.48,113.73 252.4,113.39 252.3,113.04 252.19,112.71 252.06,112.37 251.92,112.05 251.76,111.73 251.58,111.42 251.39,111.12 251.19,110.83 250.97,110.55 250.74,110.28 250.49,110.02 239.5,99.03 239.26,98.77 239.05,98.48 238.87,98.18 238.72,97.86 ; MX12.2 233.72,115.15 233.71,114.79 233.68,114.44 233.64,114.08 233.58,113.73 233.5,113.39 233.4,113.04 233.29,112.71 233.16,112.37 233.02,112.05 232.86,111.73 232.68,111.42 232.49,111.12 232.29,110.83 232.07,110.55 231.84,110.28 231.59,110.02 220.6,99.03 220.36,98.77 220.15,98.48 219.97,98.18 219.82,97.86
  Bottom w0.25: U1.26 294.75,63.19 294.56,63.37 294.36,63.54 294.16,63.7 293.94,63.85 293.72,63.99 293.5,64.12 293.26,64.24 293.03,64.34 292.78,64.44 292.53,64.52 292.28,64.59 292.03,64.64 291.77,64.69 291.51,64.72 291.25,64.74 290.99,64.75 241.88,64.75 241.41,64.72 240.94,64.65 240.48,64.54 240.03,64.38 239.6,64.18 239.2,63.93 238.82,63.65 238.47,63.33 MX62.2
col7: length 303.1
  Top w0.25: MX_backspace_1.2 266.79,86.8 266.8,86.44 266.82,86.09 266.87,85.73 266.93,85.38 267.01,85.04 267.1,84.69 267.21,84.36 267.34,84.02 267.49,83.7 267.65,83.38 267.82,83.07 268.01,82.77 268.22,82.48 268.43,82.2 268.67,81.93 268.91,81.67 270.45,80.13 270.69,79.87 270.9,79.58 271.09,79.28 271.24,78.96 ; MX14.2 276.24,110.42 276.23,110.07 276.21,109.71 276.16,109.36 276.1,109.01 276.02,108.66 275.93,108.32 275.82,107.98 275.69,107.65 275.54,107.32 275.38,107.01 275.21,106.7 275.02,106.4 274.81,106.11 274.6,105.83 274.36,105.56 274.12,105.3 267.85,99.03 267.61,98.77 267.4,98.48 267.22,98.18 267.07,97.86 ; MX_rshift1.2 259.7,34 259.71,33.65 259.74,33.29 259.78,32.94 259.84,32.59 259.92,32.24 260.01,31.9 260.13,31.56 260.25,31.23 260.4,30.9 260.56,30.59 260.73,30.28 260.92,29.98 261.13,29.69 261.35,29.41 261.58,29.14 261.82,28.88 268.86,21.84 269.13,21.6 269.41,21.39 269.72,21.21 270.04,21.06 ; 264.7,60.06 264.86,60.38 265.04,60.68 265.25,60.97 265.49,61.23 269.39,65.14 269.64,65.39 269.87,65.66 270.09,65.94 270.29,66.23 270.48,66.54 270.66,66.84 270.82,67.16 270.96,67.49 271.09,67.82 271.2,68.16 271.3,68.5 271.38,68.85 271.44,69.2 271.48,69.55 271.51,69.9 271.52,70.26 MX_rtab_1.2 ; MX47.2 MX31.2 MX15.2 ; MX_enter1.2 264.43,49 264.42,48.64 264.39,48.29 264.35,47.93 264.29,47.58 264.21,47.24 264.12,46.89 264,46.56 263.88,46.22 263.73,45.9 263.57,45.58 263.4,45.27 263.21,44.97 263,44.68 262.78,44.4 262.55,44.13 262.31,43.87 260.76,42.33 260.52,42.07 260.31,41.78 260.13,41.48 259.98,41.16
  Bottom w0.25: MX_enter1.2 268.71,62.86 269.06,63.18 269.44,63.46 269.84,63.7 270.27,63.91 270.72,64.07 271.18,64.18 271.65,64.25 272.12,64.27 290.96,64.27 291.2,64.27 291.43,64.25 291.67,64.22 291.9,64.18 292.13,64.13 292.36,64.07 292.59,63.99 292.81,63.91 293.02,63.81 293.23,63.7 293.44,63.59 293.64,63.46 293.83,63.32 294.02,63.18 294.2,63.02 294.37,62.86 U1.25 ; 259.7,31.66 259.71,31.45 259.74,31.24 259.8,31.03 259.87,30.83 259.96,30.64 260.07,30.45 260.2,30.28 260.34,30.12 260.38,30.09 260.67,29.85 261,29.67 261.37,29.56 261.74,29.52 MX_splitrshift2.2 ; 259.7,31.66 259.69,31.45 259.66,31.24 259.61,31.03 259.54,30.83 259.45,30.64 259.34,30.45 259.21,30.28 259.07,30.12 259.03,30.09 258.74,29.85 258.4,29.67 258.04,29.56 257.66,29.52 MX_splitrshift1.2 ; 259.7,31.66 MX_rshift1.2 ; 277.71,121.08 277.93,121.17 278.15,121.26 278.37,121.33 278.6,121.4 278.83,121.45 279.07,121.49 279.3,121.52 279.54,121.53 279.78,121.54 296.27,121.54 296.51,121.53 296.74,121.52 296.98,121.49 297.21,121.45 297.44,121.4 297.67,121.33 297.9,121.26 298.12,121.17 298.33,121.08 298.55,120.97 ; MX_backspace_1.2 266.79,86.23 ; MX82.2 MX81.2 ; 266.8,86.22 MX_backspace_2.2
